# KiCad board WLED Matrix.kicad_pcb (continued)
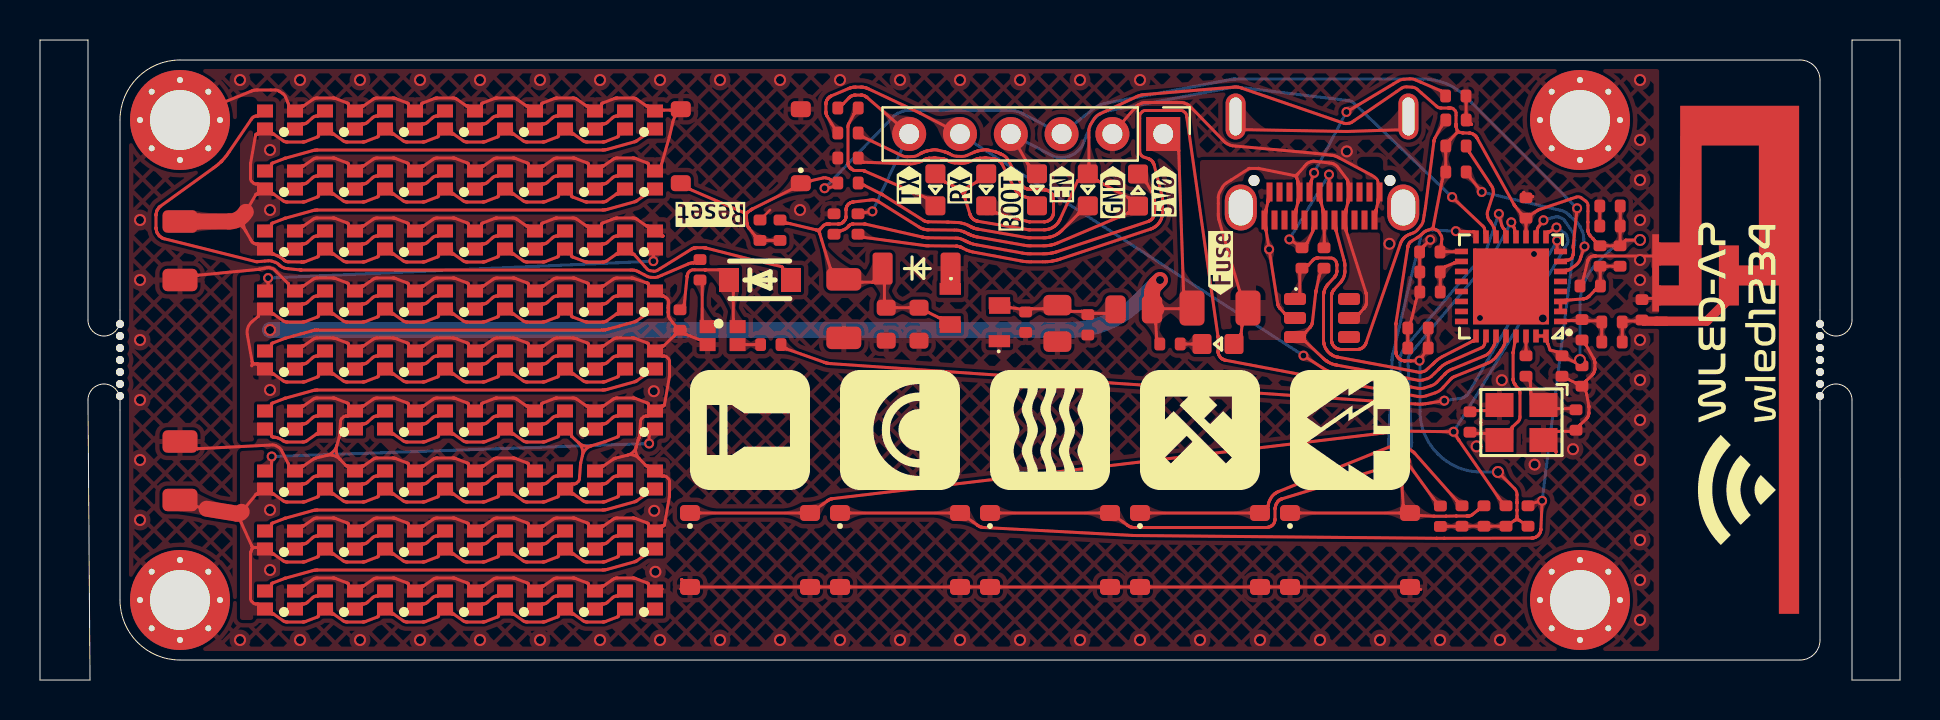
[diagram p0: board, top side]
## Routing (per net, layer and track width the routed paths; a pad name or vN(x,y) marks a point on that pad's centre or on a via; arc(x,y) is an arc through that point) (continued)
Net-(LED6-K): length 12.7
  Top w0.15: LED6.1 51.92,23.3 arc(51.92,23.3) 51.92,23.3 51.91,23.3 arc(51.91,23.3) 51.91,23.3 51.12,22.51 51.08,22.47 arc(51.06,22.45) 51.04,22.43 51,22.39 arc(50.98,22.37) 50.95,22.36 50.84,22.28 arc(50.79,22.25) 50.74,22.23 50.64,22.19 arc(50.59,22.17) 50.53,22.15 50.39,22.13 arc(50.37,22.12) 50.34,22.12 50.28,22.11 arc(50.26,22.11) 50.23,22.11 49.48,22.11 arc(49.45,22.11) 49.43,22.11 49.38,22.12 arc(49.36,22.12) 49.33,22.12 49.28,22.13 46.94,22.53 arc(46.93,22.54) 46.92,22.54 arc(46.91,22.54) 46.9,22.54 46.83,22.56 arc(46.82,22.56) 46.81,22.56 arc(46.81,22.56) 46.8,22.56 46.78,22.57 arc(46.78,22.57) 46.77,22.57 46.74,22.58 arc(46.74,22.58) 46.73,22.58 arc(46.72,22.59) 46.72,22.59 46.7,22.59 arc(46.7,22.59) 46.69,22.6 46.67,22.61 arc(46.66,22.61) 46.65,22.61 arc(46.64,22.62) 46.63,22.62 46.62,22.63 arc(46.61,22.63) 46.6,22.64 46.58,22.65 arc(46.57,22.65) 46.56,22.65 46.55,22.66 arc(46.55,22.66) 46.54,22.67 46.53,22.67 arc(46.53,22.67) 46.52,22.67 arc(46.52,22.68) 46.51,22.68 46.37,22.75 arc(46.3,22.78) 46.22,22.81 46.07,22.85 arc(45.99,22.87) 45.91,22.87 45.43,22.89 arc(45.41,22.89) 45.39,22.89 arc(45.37,22.9) 45.35,22.9 44.42,22.91 arc(44.42,22.91) 44.41,22.91 arc(44.4,22.91) 44.39,22.91 44.38,22.91 arc(44.37,22.91) 44.36,22.91 44.31,22.92 arc(44.3,22.93) 44.28,22.93 arc(44.27,22.93) 44.26,22.94 44.23,22.95 arc(44.21,22.96) 44.2,22.96 44.18,22.98 42.15,24.25 42.13,24.26 arc(42.12,24.27) 42.11,24.28 42.09,24.29 arc(42.08,24.29) 42.07,24.3 41.21,24.73 arc(41.21,24.74) 41.2,24.74 41.19,24.74 arc(41.19,24.74) 41.18,24.74 41.14,24.74 arc(41.11,24.74) 41.07,24.76 R15.1
Net-(LED7-K): length 10.3
  Top w0.15: R16.1 41.17,25.89 arc(41.18,25.89) 41.18,25.89 41.18,25.89 arc(41.18,25.89) 41.18,25.89 43.3,25.81 43.51,25.81 arc(43.62,25.81) 43.72,25.83 43.92,25.88 arc(44.02,25.91) 44.12,25.96 44.2,26.01 arc(44.21,26.01) 44.21,26.01 arc(44.22,26.02) 44.23,26.02 arc(44.23,26.03) 44.24,26.03 44.25,26.04 arc(44.26,26.04) 44.27,26.04 arc(44.28,26.04) 44.28,26.05 44.34,26.06 arc(44.34,26.06) 44.34,26.06 44.35,26.07 arc(44.36,26.07) 44.36,26.07 arc(44.37,26.07) 44.37,26.07 44.44,26.08 arc(44.44,26.08) 44.44,26.08 arc(44.45,26.08) 44.45,26.09 44.46,26.09 arc(44.46,26.09) 44.46,26.09 arc(44.47,26.09) 44.47,26.09 44.71,26.11 arc(44.72,26.11) 44.73,26.11 44.74,26.11 arc(44.75,26.11) 44.76,26.11 45.07,26.07 arc(45.08,26.07) 45.09,26.07 arc(45.09,26.07) 45.1,26.07 45.17,26.06 arc(45.18,26.06) 45.18,26.05 45.19,26.05 arc(45.19,26.05) 45.2,26.05 arc(45.2,26.05) 45.21,26.05 45.26,26.03 arc(45.27,26.03) 45.28,26.03 45.29,26.02 arc(45.29,26.02) 45.3,26.01 45.31,26.01 arc(45.31,26.01) 45.31,26.01 45.45,25.93 arc(45.59,25.88) 45.75,25.85 46.06,25.83 arc(46.22,25.84) 46.37,25.87 46.8,26.04 arc(46.8,26.04) 46.81,26.04 arc(46.82,26.04) 46.82,26.05 46.88,26.06 arc(46.88,26.06) 46.88,26.06 46.89,26.07 arc(46.9,26.07) 46.9,26.07 arc(46.91,26.07) 46.91,26.07 46.98,26.08 arc(46.98,26.08) 46.98,26.08 arc(46.99,26.08) 46.99,26.09 47,26.09 arc(47,26.09) 47,26.09 arc(47.01,26.09) 47.01,26.09 47.25,26.11 arc(47.26,26.11) 47.27,26.11 47.28,26.11 arc(47.29,26.11) 47.3,26.11 47.61,26.07 arc(47.62,26.07) 47.63,26.07 arc(47.63,26.07) 47.64,26.07 47.71,26.06 arc(47.72,26.06) 47.72,26.05 47.73,26.05 arc(47.73,26.05) 47.74,26.05 arc(47.74,26.05) 47.75,26.05 47.8,26.03 arc(47.81,26.03) 47.82,26.03 47.83,26.02 arc(47.83,26.02) 47.84,26.01 47.85,26.01 arc(47.85,26.01) 47.85,26.01 47.91,25.98 arc(47.92,25.97) 47.92,25.97 arc(47.93,25.97) 47.93,25.97 47.94,25.97 arc(47.94,25.96) 47.95,25.96 47.97,25.95 arc(47.98,25.94) 47.98,25.94 arc(47.99,25.93) 48,25.93 48,25.93 arc(48.01,25.92) 48.02,25.91 48.02,25.91 arc(48.03,25.9) 48.05,25.88 48.07,25.86 arc(48.08,25.84) 48.09,25.83 48.1,25.8 48.71,24.61 48.72,24.59 arc(48.73,24.58) 48.73,24.57 48.74,24.55 arc(48.75,24.54) 48.75,24.53 48.78,24.49 arc(48.79,24.47) 48.81,24.46 48.83,24.43 arc(48.84,24.42) 48.85,24.4 48.94,24.32 arc(48.97,24.29) 49.01,24.26 49.09,24.22 arc(49.13,24.2) 49.17,24.18 49.37,24.12 arc(49.37,24.12) 49.37,24.12 49.38,24.12 arc(49.38,24.12) 49.38,24.12 LED7.1
Net-(RGB1-DI): length 1.1
  Top w0.15: RGB1.4 R1.2
Net-(RGB1-DO): length 2.5
  Top w0.15: R5.1 33.09,19.84 arc(33.11,19.8) 33.11,19.77 33.11,17.96 arc(33.12,17.92) 33.14,17.89 RGB1.1
Net-(RGB1-VDD): length 6.7
  Top w0.15: RGB1.2 34.69,17.89 arc(34.67,17.92) 34.67,17.96 34.67,19.44 arc(34.66,19.47) 34.65,19.51 34.56,19.74 arc(34.43,19.99) 34.27,20.22 34.05,20.48 arc(34.02,20.5) 33.99,20.51 33.29,20.51 arc(33.29,20.51) 33.28,20.51 33.28,20.51 arc(33.27,20.51) 33.27,20.51 33.26,20.51 arc(33.26,20.51) 33.26,20.51 33.26,20.51 arc(33.26,20.51) 33.25,20.51 33.25,20.51 arc(33.24,20.51) 33.24,20.51 32.64,20.51 arc(32.58,20.5) 32.54,20.48 32.45,20.41 arc(32.41,20.37) 32.39,20.33 32.37,20.25 arc(32.37,20.25) 32.37,20.24 arc(32.37,20.24) 32.37,20.24 32.37,20.23 arc(32.37,20.23) 32.37,20.23 32.36,20.19 arc(32.36,20.19) 32.36,20.19 32.36,20.18 arc(32.36,20.18) 32.36,20.17 arc(32.36,20.17) 32.36,20.17 32.21,18.78 32.21,18.78 arc(32.21,18.78) 32.21,18.77 C6.1
Net-(RGB2-DI): length 36.4
  Top w0.15: R5.2 32.69,20.86 arc(32.68,20.86) 32.68,20.86 arc(32.68,20.86) 32.68,20.86 arc(32.68,20.86) 32.68,20.86 arc(32.67,20.86) 32.67,20.86 32.64,20.86 arc(32.61,20.86) 32.57,20.85 32.51,20.84 arc(32.47,20.83) 32.44,20.82 32.38,20.79 30.9,20.16 arc(30.82,20.13) 30.73,20.12 30.54,20.13 arc(30.46,20.15) 30.37,20.18 29.87,20.44 arc(29.83,20.46) 29.79,20.47 29.7,20.49 arc(29.66,20.5) 29.62,20.5 13.07,20.5 arc(13.06,20.5) 13.05,20.5 13.03,20.5 arc(13.02,20.5) 13.01,20.5 12.31,20.57 arc(12.26,20.58) 12.21,20.6 12.11,20.64 arc(12.07,20.67) 12.03,20.7 11.91,20.8 arc(11.84,20.85) 11.76,20.89 11.59,20.94 arc(11.51,20.96) 11.42,20.96 10.89,20.92 arc(10.88,20.92) 10.86,20.91 arc(10.85,20.91) 10.84,20.91 10.81,20.92 arc(10.8,20.92) 10.79,20.92 10.76,20.93 6.21,22.06 6.19,22.07 arc(6.17,22.07) 6.16,22.08 6.13,22.09 arc(6.12,22.1) 6.11,22.1 6,22.17 arc(5.99,22.18) 5.98,22.19 5.96,22.22 arc(5.95,22.23) 5.94,22.24 5.86,22.35 arc(5.86,22.36) 5.85,22.38 5.84,22.41 arc(5.83,22.42) 5.83,22.44 5.81,22.54 arc(5.81,22.55) 5.8,22.56 arc(5.8,22.56) 5.8,22.57 5.8,22.59 arc(5.8,22.6) 5.8,22.6 5.8,23.25 arc(5.8,23.25) 5.8,23.26 5.8,23.28 arc(5.8,23.29) 5.8,23.29 arc(5.81,23.3) 5.81,23.31 5.83,23.41 arc(5.83,23.43) 5.84,23.44 5.85,23.47 arc(5.86,23.49) 5.86,23.5 5.94,23.61 arc(5.94,23.62) 5.95,23.63 5.97,23.65 arc(5.98,23.66) 6,23.67 6.02,23.69 8.76,25.66 arc(8.8,25.69) 8.84,25.73 8.93,25.8 arc(8.97,25.84) 9.01,25.87 9.04,25.91 arc(9.05,25.91) 9.06,25.92 arc(9.06,25.93) 9.07,25.93 arc(9.07,25.94) 9.08,25.94 arc(9.09,25.95) 9.09,25.96 9.13,26 arc(9.18,26.04) 9.22,26.09 9.3,26.19 arc(9.34,26.24) 9.38,26.3 9.45,26.4 10.6,28.09 arc(10.63,28.12) 10.66,28.14 10.73,28.18 arc(10.77,28.2) 10.81,28.2 10.89,28.2 arc(10.92,28.21) 10.95,28.22 RGB2.4
Net-(RGB2-DO): length 1.8
  Top w0.15: RGB3.4 13.95,28.22 arc(13.92,28.21) 13.89,28.2 13.82,28.2 arc(13.79,28.2) 13.76,28.19 13.71,28.17 arc(13.68,28.16) 13.66,28.14 13.34,27.86 arc(13.32,27.84) 13.29,27.83 13.24,27.81 arc(13.21,27.8) 13.18,27.8 13.11,27.8 arc(13.08,27.79) 13.05,27.78 RGB2.1
Net-(RGB3-DO): length 1.8
  Top w0.15: RGB4.4 16.95,28.22 arc(16.92,28.21) 16.89,28.2 16.82,28.2 arc(16.79,28.2) 16.76,28.19 16.71,28.17 arc(16.68,28.16) 16.66,28.14 16.34,27.86 arc(16.32,27.84) 16.29,27.83 16.24,27.81 arc(16.21,27.8) 16.18,27.8 16.11,27.8 arc(16.08,27.79) 16.05,27.78 RGB3.1
Net-(RGB4-DO): length 1.8
  Top w0.15: RGB5.4 19.95,28.22 arc(19.92,28.21) 19.89,28.2 19.82,28.2 arc(19.79,28.2) 19.76,28.19 19.71,28.17 arc(19.68,28.16) 19.66,28.14 19.34,27.86 arc(19.32,27.84) 19.29,27.83 19.24,27.81 arc(19.21,27.8) 19.18,27.8 19.11,27.8 arc(19.08,27.79) 19.05,27.78 RGB4.1
Net-(RGB5-DO): length 1.8
  Top w0.15: RGB6.4 22.95,28.22 arc(22.92,28.21) 22.89,28.2 22.82,28.2 arc(22.79,28.2) 22.76,28.19 22.71,28.17 arc(22.68,28.16) 22.66,28.14 22.34,27.86 arc(22.32,27.84) 22.29,27.83 22.24,27.81 arc(22.21,27.8) 22.18,27.8 22.11,27.8 arc(22.08,27.79) 22.05,27.78 RGB5.1
Net-(RGB6-DO): length 1.8
  Top w0.15: RGB7.4 25.95,28.22 arc(25.92,28.21) 25.89,28.2 25.82,28.2 arc(25.79,28.2) 25.76,28.19 25.71,28.17 arc(25.68,28.16) 25.66,28.14 25.34,27.86 arc(25.32,27.84) 25.29,27.83 25.24,27.81 arc(25.21,27.8) 25.18,27.8 25.11,27.8 arc(25.08,27.79) 25.05,27.78 RGB6.1
Net-(RGB7-DO): length 1.8
  Top w0.15: RGB7.1 28.05,27.78 arc(28.08,27.79) 28.11,27.8 28.18,27.8 arc(28.21,27.8) 28.24,27.81 28.29,27.83 arc(28.32,27.84) 28.34,27.86 28.66,28.14 arc(28.68,28.16) 28.71,28.17 28.76,28.19 arc(28.79,28.2) 28.82,28.2 28.89,28.2 arc(28.92,28.21) 28.95,28.22 RGB8.4
Net-(RGB8-DO): length 20.1
  Top w0.15: RGB9.4 11.55,25.68 arc(11.57,25.7) 11.57,25.74 11.57,25.79 arc(11.58,25.8) 11.58,25.81 11.59,25.83 arc(11.6,25.84) 11.61,25.84 12.23,26.08 arc(12.23,26.08) 12.24,26.08 arc(12.24,26.08) 12.24,26.08 12.25,26.08 arc(12.26,26.09) 12.26,26.09 arc(12.26,26.09) 12.27,26.09 13.63,26.47 13.68,26.48 arc(13.7,26.49) 13.73,26.49 13.78,26.5 arc(13.8,26.5) 13.83,26.5 28.17,26.5 arc(28.2,26.5) 28.22,26.5 28.27,26.51 arc(28.3,26.51) 28.32,26.52 28.37,26.53 29.72,26.91 29.75,26.92 arc(29.76,26.92) 29.78,26.92 29.8,26.94 arc(29.81,26.94) 29.82,26.95 30.3,27.28 arc(30.31,27.29) 30.31,27.29 arc(30.32,27.29) 30.32,27.29 30.33,27.3 arc(30.34,27.3) 30.34,27.3 30.39,27.3 arc(30.42,27.31) 30.45,27.32 RGB8.1
Net-(RGB10-DI): length 1.8
  Top w0.15: RGB9.1 13.05,24.78 arc(13.08,24.79) 13.11,24.8 13.18,24.8 arc(13.21,24.8) 13.24,24.81 13.29,24.83 arc(13.32,24.84) 13.34,24.86 13.66,25.14 arc(13.68,25.16) 13.71,25.17 13.76,25.19 arc(13.79,25.2) 13.82,25.2 13.89,25.2 arc(13.92,25.21) 13.95,25.22 RGB10.4
Net-(RGB10-DO): length 1.8
  Top w0.15: RGB10.1 16.05,24.78 arc(16.08,24.79) 16.11,24.8 16.18,24.8 arc(16.21,24.8) 16.24,24.81 16.29,24.83 arc(16.32,24.84) 16.34,24.86 16.66,25.14 arc(16.68,25.16) 16.71,25.17 16.76,25.19 arc(16.79,25.2) 16.82,25.2 16.89,25.2 arc(16.92,25.21) 16.95,25.22 RGB11.4
Net-(RGB11-DO): length 1.8
  Top w0.15: RGB11.1 19.05,24.78 arc(19.08,24.79) 19.11,24.8 19.18,24.8 arc(19.21,24.8) 19.24,24.81 19.29,24.83 arc(19.32,24.84) 19.34,24.86 19.66,25.14 arc(19.68,25.16) 19.71,25.17 19.76,25.19 arc(19.79,25.2) 19.82,25.2 19.89,25.2 arc(19.92,25.21) 19.95,25.22 RGB12.4
Net-(RGB12-DO): length 1.8
  Top w0.15: RGB13.4 22.95,25.22 arc(22.92,25.21) 22.89,25.2 22.82,25.2 arc(22.79,25.2) 22.76,25.19 22.71,25.17 arc(22.68,25.16) 22.66,25.14 22.34,24.86 arc(22.32,24.84) 22.29,24.83 22.24,24.81 arc(22.21,24.8) 22.18,24.8 22.11,24.8 arc(22.08,24.79) 22.05,24.78 RGB12.1
Net-(RGB13-DO): length 1.8
  Top w0.15: RGB14.4 25.95,25.22 arc(25.92,25.21) 25.89,25.2 25.82,25.2 arc(25.79,25.2) 25.76,25.19 25.71,25.17 arc(25.68,25.16) 25.66,25.14 25.34,24.86 arc(25.32,24.84) 25.29,24.83 25.24,24.81 arc(25.21,24.8) 25.18,24.8 25.11,24.8 arc(25.08,24.79) 25.05,24.78 RGB13.1
Net-(RGB14-DO): length 1.8
  Top w0.15: RGB14.1 28.05,24.78 arc(28.08,24.79) 28.11,24.8 28.18,24.8 arc(28.21,24.8) 28.24,24.81 28.29,24.83 arc(28.32,24.84) 28.34,24.86 28.66,25.14 arc(28.68,25.16) 28.71,25.17 28.76,25.19 arc(28.79,25.2) 28.82,25.2 28.89,25.2 arc(28.92,25.21) 28.95,25.22 RGB15.4
Net-(RGB15-DO): length 20.1
  Top w0.15: RGB15.1 30.45,24.32 arc(30.42,24.31) 30.39,24.3 30.34,24.3 arc(30.34,24.3) 30.33,24.3 30.32,24.29 arc(30.32,24.29) 30.31,24.29 arc(30.31,24.29) 30.3,24.28 29.82,23.95 arc(29.81,23.94) 29.8,23.94 29.78,23.92 arc(29.76,23.92) 29.75,23.92 29.72,23.91 28.37,23.53 28.32,23.52 arc(28.3,23.51) 28.27,23.51 28.22,23.5 arc(28.2,23.5) 28.17,23.5 13.83,23.5 arc(13.8,23.5) 13.78,23.5 13.73,23.49 arc(13.7,23.49) 13.68,23.48 13.63,23.47 12.27,23.09 arc(12.26,23.09) 12.26,23.09 arc(12.26,23.09) 12.25,23.08 12.24,23.08 arc(12.24,23.08) 12.24,23.08 arc(12.23,23.08) 12.23,23.08 11.61,22.84 arc(11.6,22.84) 11.59,22.83 11.58,22.81 arc(11.58,22.8) 11.57,22.79 11.57,22.74 arc(11.57,22.7) 11.55,22.68 RGB16.4
Net-(RGB16-DO): length 1.8
  Top w0.15: RGB16.1 13.05,21.78 arc(13.08,21.79) 13.11,21.8 13.18,21.8 arc(13.21,21.8) 13.24,21.81 13.29,21.83 arc(13.32,21.84) 13.34,21.86 13.66,22.14 arc(13.68,22.16) 13.71,22.17 13.76,22.19 arc(13.79,22.2) 13.82,22.2 13.89,22.2 arc(13.92,22.21) 13.95,22.22 RGB17.4
Net-(RGB17-DO): length 1.8
  Top w0.15: RGB17.1 16.05,21.78 arc(16.08,21.79) 16.11,21.8 16.18,21.8 arc(16.21,21.8) 16.24,21.81 16.29,21.83 arc(16.32,21.84) 16.34,21.86 16.66,22.14 arc(16.68,22.16) 16.71,22.17 16.76,22.19 arc(16.79,22.2) 16.82,22.2 16.89,22.2 arc(16.92,22.21) 16.95,22.22 RGB18.4
Net-(RGB18-DO): length 1.8
  Top w0.15: RGB18.1 19.05,21.78 arc(19.08,21.79) 19.11,21.8 19.18,21.8 arc(19.21,21.8) 19.24,21.81 19.29,21.83 arc(19.32,21.84) 19.34,21.86 19.66,22.14 arc(19.68,22.16) 19.71,22.17 19.76,22.19 arc(19.79,22.2) 19.82,22.2 19.89,22.2 arc(19.92,22.21) 19.95,22.22 RGB19.4
Net-(RGB19-DO): length 1.8
  Top w0.15: RGB20.4 22.95,22.22 arc(22.92,22.21) 22.89,22.2 22.82,22.2 arc(22.79,22.2) 22.76,22.19 22.71,22.17 arc(22.68,22.16) 22.66,22.14 22.34,21.86 arc(22.32,21.84) 22.29,21.83 22.24,21.81 arc(22.21,21.8) 22.18,21.8 22.11,21.8 arc(22.08,21.79) 22.05,21.78 RGB19.1
Net-(RGB20-DO): length 1.8
  Top w0.15: RGB20.1 25.05,21.78 arc(25.08,21.79) 25.11,21.8 25.18,21.8 arc(25.21,21.8) 25.24,21.81 25.29,21.83 arc(25.32,21.84) 25.34,21.86 25.66,22.14 arc(25.68,22.16) 25.71,22.17 25.76,22.19 arc(25.79,22.2) 25.82,22.2 25.89,22.2 arc(25.92,22.21) 25.95,22.22 RGB21.4
Net-(RGB21-DO): length 1.8
  Top w0.15: RGB22.4 28.95,22.22 arc(28.92,22.21) 28.89,22.2 28.82,22.2 arc(28.79,22.2) 28.76,22.19 28.71,22.17 arc(28.68,22.16) 28.66,22.14 28.34,21.86 arc(28.32,21.84) 28.29,21.83 28.24,21.81 arc(28.21,21.8) 28.18,21.8 28.11,21.8 arc(28.08,21.79) 28.05,21.78 RGB21.1
Net-(RGB22-DO): length 20.6
  Top w0.15: v2(11.41,20.1) 11.41,19.74 arc(11.4,19.7) 11.39,19.67 RGB23.4 ; v2(30.67,20.94) 30.67,21.26 arc(30.67,21.3) 30.68,21.34 RGB22.1
  Bottom w0.15: v2(11.41,20.1) v2(30.67,20.94)
Net-(RGB23-DO): length 1.8
  Top w0.15: RGB23.1 13.05,18.78 arc(13.08,18.79) 13.11,18.8 13.18,18.8 arc(13.21,18.8) 13.24,18.81 13.29,18.83 arc(13.32,18.84) 13.34,18.86 13.66,19.14 arc(13.68,19.16) 13.71,19.17 13.76,19.19 arc(13.79,19.2) 13.82,19.2 13.89,19.2 arc(13.92,19.21) 13.95,19.22 RGB24.4
Net-(RGB24-DO): length 1.8
  Top w0.15: RGB24.1 16.05,18.78 arc(16.08,18.79) 16.11,18.8 16.18,18.8 arc(16.21,18.8) 16.24,18.81 16.29,18.83 arc(16.32,18.84) 16.34,18.86 16.66,19.14 arc(16.68,19.16) 16.71,19.17 16.76,19.19 arc(16.79,19.2) 16.82,19.2 16.89,19.2 arc(16.92,19.21) 16.95,19.22 RGB25.4
Net-(RGB25-DO): length 1.8
  Top w0.15: RGB26.4 19.95,19.22 arc(19.92,19.21) 19.89,19.2 19.82,19.2 arc(19.79,19.2) 19.76,19.19 19.71,19.17 arc(19.68,19.16) 19.66,19.14 19.34,18.86 arc(19.32,18.84) 19.29,18.83 19.24,18.81 arc(19.21,18.8) 19.18,18.8 19.11,18.8 arc(19.08,18.79) 19.05,18.78 RGB25.1
Net-(RGB26-DO): length 1.8
  Top w0.15: RGB26.1 22.05,18.78 arc(22.08,18.79) 22.11,18.8 22.18,18.8 arc(22.21,18.8) 22.24,18.81 22.29,18.83 arc(22.32,18.84) 22.34,18.86 22.66,19.14 arc(22.68,19.16) 22.71,19.17 22.76,19.19 arc(22.79,19.2) 22.82,19.2 22.89,19.2 arc(22.92,19.21) 22.95,19.22 RGB27.4
Net-(RGB27-DO): length 1.8
  Top w0.15: RGB27.1 25.05,18.78 arc(25.08,18.79) 25.11,18.8 25.18,18.8 arc(25.21,18.8) 25.24,18.81 25.29,18.83 arc(25.32,18.84) 25.34,18.86 25.66,19.14 arc(25.68,19.16) 25.71,19.17 25.76,19.19 arc(25.79,19.2) 25.82,19.2 25.89,19.2 arc(25.92,19.21) 25.95,19.22 RGB28.4
Net-(RGB28-DO): length 1.8
  Top w0.15: RGB29.4 28.95,19.22 arc(28.92,19.21) 28.89,19.2 28.82,19.2 arc(28.79,19.2) 28.76,19.19 28.71,19.17 arc(28.68,19.16) 28.66,19.14 28.34,18.86 arc(28.32,18.84) 28.29,18.83 28.24,18.81 arc(28.21,18.8) 28.18,18.8 28.11,18.8 arc(28.08,18.79) 28.05,18.78 RGB28.1
Net-(RGB29-DO): length 20.1
  Top w0.15: RGB30.4 11.55,16.68 arc(11.57,16.7) 11.57,16.74 11.57,16.79 arc(11.58,16.8) 11.58,16.81 11.59,16.83 arc(11.6,16.84) 11.61,16.84 12.23,17.08 arc(12.23,17.08) 12.24,17.08 arc(12.24,17.08) 12.24,17.08 12.25,17.08 arc(12.26,17.09) 12.26,17.09 arc(12.26,17.09) 12.27,17.09 13.63,17.47 13.68,17.48 arc(13.7,17.49) 13.73,17.49 13.78,17.5 arc(13.8,17.5) 13.83,17.5 28.17,17.5 arc(28.2,17.5) 28.22,17.5 28.27,17.51 arc(28.3,17.51) 28.32,17.52 28.37,17.53 29.72,17.91 29.75,17.92 arc(29.76,17.92) 29.78,17.92 29.8,17.94 arc(29.81,17.94) 29.82,17.95 30.3,18.28 arc(30.31,18.29) 30.31,18.29 arc(30.32,18.29) 30.32,18.29 30.33,18.3 arc(30.34,18.3) 30.34,18.3 30.39,18.3 arc(30.42,18.31) 30.45,18.32 RGB29.1
Net-(RGB30-DO): length 1.8
  Top w0.15: RGB30.1 13.05,15.78 arc(13.08,15.79) 13.11,15.8 13.18,15.8 arc(13.21,15.8) 13.24,15.81 13.29,15.83 arc(13.32,15.84) 13.34,15.86 13.66,16.14 arc(13.68,16.16) 13.71,16.17 13.76,16.19 arc(13.79,16.2) 13.82,16.2 13.89,16.2 arc(13.92,16.21) 13.95,16.22 RGB31.4
Net-(RGB31-DO): length 1.8
  Top w0.15: RGB31.1 16.05,15.78 arc(16.08,15.79) 16.11,15.8 16.18,15.8 arc(16.21,15.8) 16.24,15.81 16.29,15.83 arc(16.32,15.84) 16.34,15.86 16.66,16.14 arc(16.68,16.16) 16.71,16.17 16.76,16.19 arc(16.79,16.2) 16.82,16.2 16.89,16.2 arc(16.92,16.21) 16.95,16.22 RGB32.4
Net-(RGB32-DO): length 1.8
  Top w0.15: RGB33.4 19.95,16.22 arc(19.92,16.21) 19.89,16.2 19.82,16.2 arc(19.79,16.2) 19.76,16.19 19.71,16.17 arc(19.68,16.16) 19.66,16.14 19.34,15.86 arc(19.32,15.84) 19.29,15.83 19.24,15.81 arc(19.21,15.8) 19.18,15.8 19.11,15.8 arc(19.08,15.79) 19.05,15.78 RGB32.1
Net-(RGB33-DO): length 1.8
  Top w0.15: RGB33.1 22.05,15.78 arc(22.08,15.79) 22.11,15.8 22.18,15.8 arc(22.21,15.8) 22.24,15.81 22.29,15.83 arc(22.32,15.84) 22.34,15.86 22.66,16.14 arc(22.68,16.16) 22.71,16.17 22.76,16.19 arc(22.79,16.2) 22.82,16.2 22.89,16.2 arc(22.92,16.21) 22.95,16.22 RGB34.4
Net-(RGB34-DO): length 1.8
  Top w0.15: RGB34.1 25.05,15.78 arc(25.08,15.79) 25.11,15.8 25.18,15.8 arc(25.21,15.8) 25.24,15.81 25.29,15.83 arc(25.32,15.84) 25.34,15.86 25.66,16.14 arc(25.68,16.16) 25.71,16.17 25.76,16.19 arc(25.79,16.2) 25.82,16.2 25.89,16.2 arc(25.92,16.21) 25.95,16.22 RGB35.4
Net-(RGB35-DO): length 1.8
  Top w0.15: RGB35.1 28.05,15.78 arc(28.08,15.79) 28.11,15.8 28.18,15.8 arc(28.21,15.8) 28.24,15.81 28.29,15.83 arc(28.32,15.84) 28.34,15.86 28.66,16.14 arc(28.68,16.16) 28.71,16.17 28.76,16.19 arc(28.79,16.2) 28.82,16.2 28.89,16.2 arc(28.92,16.21) 28.95,16.22 RGB36.4
Net-(RGB36-DO): length 20.1
  Top w0.15: RGB37.4 11.55,13.68 arc(11.57,13.7) 11.57,13.74 11.57,13.79 arc(11.58,13.8) 11.58,13.81 11.59,13.83 arc(11.6,13.84) 11.61,13.84 12.23,14.08 arc(12.23,14.08) 12.24,14.08 arc(12.24,14.08) 12.24,14.08 12.25,14.08 arc(12.26,14.09) 12.26,14.09 arc(12.26,14.09) 12.27,14.09 13.63,14.47 13.68,14.48 arc(13.7,14.49) 13.73,14.49 13.78,14.5 arc(13.8,14.5) 13.83,14.5 28.17,14.5 arc(28.2,14.5) 28.22,14.5 28.27,14.51 arc(28.3,14.51) 28.32,14.52 28.37,14.53 29.72,14.91 29.75,14.92 arc(29.76,14.92) 29.78,14.92 29.8,14.94 arc(29.81,14.94) 29.82,14.95 30.3,15.28 arc(30.31,15.29) 30.31,15.29 arc(30.32,15.29) 30.32,15.29 30.33,15.3 arc(30.34,15.3) 30.34,15.3 30.39,15.3 arc(30.42,15.31) 30.45,15.32 RGB36.1
Net-(RGB37-DO): length 1.8
  Top w0.15: RGB37.1 13.05,12.78 arc(13.08,12.79) 13.11,12.8 13.18,12.8 arc(13.21,12.8) 13.24,12.81 13.29,12.83 arc(13.32,12.84) 13.34,12.86 13.66,13.14 arc(13.68,13.16) 13.71,13.17 13.76,13.19 arc(13.79,13.2) 13.82,13.2 13.89,13.2 arc(13.92,13.21) 13.95,13.22 RGB38.4
Net-(RGB38-DO): length 1.8
  Top w0.15: RGB38.1 16.05,12.78 arc(16.08,12.79) 16.11,12.8 16.18,12.8 arc(16.21,12.8) 16.24,12.81 16.29,12.83 arc(16.32,12.84) 16.34,12.86 16.66,13.14 arc(16.68,13.16) 16.71,13.17 16.76,13.19 arc(16.79,13.2) 16.82,13.2 16.89,13.2 arc(16.92,13.21) 16.95,13.22 RGB39.4
Net-(RGB39-DO): length 1.8
  Top w0.15: RGB40.4 19.95,13.22 arc(19.92,13.21) 19.89,13.2 19.82,13.2 arc(19.79,13.2) 19.76,13.19 19.71,13.17 arc(19.68,13.16) 19.66,13.14 19.34,12.86 arc(19.32,12.84) 19.29,12.83 19.24,12.81 arc(19.21,12.8) 19.18,12.8 19.11,12.8 arc(19.08,12.79) 19.05,12.78 RGB39.1
Net-(RGB40-DO): length 1.8
  Top w0.15: RGB41.4 22.95,13.22 arc(22.92,13.21) 22.89,13.2 22.82,13.2 arc(22.79,13.2) 22.76,13.19 22.71,13.17 arc(22.68,13.16) 22.66,13.14 22.34,12.86 arc(22.32,12.84) 22.29,12.83 22.24,12.81 arc(22.21,12.8) 22.18,12.8 22.11,12.8 arc(22.08,12.79) 22.05,12.78 RGB40.1
Net-(RGB41-DO): length 1.8
  Top w0.15: RGB42.4 25.95,13.22 arc(25.92,13.21) 25.89,13.2 25.82,13.2 arc(25.79,13.2) 25.76,13.19 25.71,13.17 arc(25.68,13.16) 25.66,13.14 25.34,12.86 arc(25.32,12.84) 25.29,12.83 25.24,12.81 arc(25.21,12.8) 25.18,12.8 25.11,12.8 arc(25.08,12.79) 25.05,12.78 RGB41.1
Net-(RGB42-DO): length 1.8
  Top w0.15: RGB43.4 28.95,13.22 arc(28.92,13.21) 28.89,13.2 28.82,13.2 arc(28.79,13.2) 28.76,13.19 28.71,13.17 arc(28.68,13.16) 28.66,13.14 28.34,12.86 arc(28.32,12.84) 28.29,12.83 28.24,12.81 arc(28.21,12.8) 28.18,12.8 28.11,12.8 arc(28.08,12.79) 28.05,12.78 RGB42.1
Net-(RGB43-DO): length 20.6
  Top w0.15: v2(30.46,11.82) 30.46,12.26 arc(30.46,12.3) 30.48,12.32 RGB43.1 ; v2(11.58,11.17) 11.57,10.78 arc(11.57,10.78) 11.57,10.78 11.57,10.74 arc(11.57,10.7) 11.55,10.68 RGB44.4
  Bottom w0.15: v2(11.58,11.17) v2(30.46,11.82)
Net-(RGB44-DO): length 1.8
  Top w0.15: RGB44.1 13.05,9.78 arc(13.08,9.79) 13.11,9.8 13.18,9.8 arc(13.21,9.8) 13.24,9.81 13.29,9.83 arc(13.32,9.84) 13.34,9.86 13.66,10.14 arc(13.68,10.16) 13.71,10.17 13.76,10.19 arc(13.79,10.2) 13.82,10.2 13.89,10.2 arc(13.92,10.21) 13.95,10.22 RGB45.4
Net-(RGB45-DO): length 1.8
  Top w0.15: RGB45.1 16.05,9.78 arc(16.08,9.79) 16.11,9.8 16.18,9.8 arc(16.21,9.8) 16.24,9.81 16.29,9.83 arc(16.32,9.84) 16.34,9.86 16.66,10.14 arc(16.68,10.16) 16.71,10.17 16.76,10.19 arc(16.79,10.2) 16.82,10.2 16.89,10.2 arc(16.92,10.21) 16.95,10.22 RGB46.4
Net-(RGB46-DO): length 1.8
  Top w0.15: RGB46.1 19.05,9.78 arc(19.08,9.79) 19.11,9.8 19.18,9.8 arc(19.21,9.8) 19.24,9.81 19.29,9.83 arc(19.32,9.84) 19.34,9.86 19.66,10.14 arc(19.68,10.16) 19.71,10.17 19.76,10.19 arc(19.79,10.2) 19.82,10.2 19.89,10.2 arc(19.92,10.21) 19.95,10.22 RGB47.4
Net-(RGB47-DO): length 1.8
  Top w0.15: RGB47.1 22.05,9.78 arc(22.08,9.79) 22.11,9.8 22.18,9.8 arc(22.21,9.8) 22.24,9.81 22.29,9.83 arc(22.32,9.84) 22.34,9.86 22.66,10.14 arc(22.68,10.16) 22.71,10.17 22.76,10.19 arc(22.79,10.2) 22.82,10.2 22.89,10.2 arc(22.92,10.21) 22.95,10.22 RGB48.4
Net-(RGB48-DO): length 1.8
  Top w0.15: RGB49.4 25.95,10.22 arc(25.92,10.21) 25.89,10.2 25.82,10.2 arc(25.79,10.2) 25.76,10.19 25.71,10.17 arc(25.68,10.16) 25.66,10.14 25.34,9.86 arc(25.32,9.84) 25.29,9.83 25.24,9.81 arc(25.21,9.8) 25.18,9.8 25.11,9.8 arc(25.08,9.79) 25.05,9.78 RGB48.1
Net-(RGB49-DO): length 1.8
  Top w0.15: RGB50.4 28.95,10.22 arc(28.92,10.21) 28.89,10.2 28.82,10.2 arc(28.79,10.2) 28.76,10.19 28.71,10.17 arc(28.68,10.16) 28.66,10.14 28.34,9.86 arc(28.32,9.84) 28.29,9.83 28.24,9.81 arc(28.21,9.8) 28.18,9.8 28.11,9.8 arc(28.08,9.79) 28.05,9.78 RGB49.1
Net-(RGB50-DO): length 20.1
  Top w0.15: RGB50.1 30.45,9.32 arc(30.42,9.31) 30.39,9.3 30.34,9.3 arc(30.34,9.3) 30.33,9.3 30.32,9.29 arc(30.32,9.29) 30.31,9.29 arc(30.31,9.29) 30.3,9.28 29.82,8.95 arc(29.81,8.94) 29.8,8.94 29.78,8.92 arc(29.76,8.92) 29.75,8.92 29.72,8.91 28.37,8.53 28.32,8.52 arc(28.3,8.51) 28.27,8.51 28.22,8.5 arc(28.2,8.5) 28.17,8.5 13.83,8.5 arc(13.8,8.5) 13.78,8.5 13.73,8.49 arc(13.7,8.49) 13.68,8.48 13.63,8.47 12.27,8.09 arc(12.26,8.09) 12.26,8.09 arc(12.26,8.09) 12.25,8.08 12.24,8.08 arc(12.24,8.08) 12.24,8.08 arc(12.23,8.08) 12.23,8.08 11.61,7.84 arc(11.6,7.84) 11.59,7.83 11.58,7.81 arc(11.58,7.8) 11.57,7.79 11.57,7.74 arc(11.57,7.7) 11.55,7.68 RGB51.4
Net-(RGB51-DO): length 1.8
  Top w0.15: RGB52.4 13.95,7.22 arc(13.92,7.21) 13.89,7.2 13.82,7.2 arc(13.79,7.2) 13.76,7.19 13.71,7.17 arc(13.68,7.16) 13.66,7.14 13.34,6.86 arc(13.32,6.84) 13.29,6.83 13.24,6.81 arc(13.21,6.8) 13.18,6.8 13.11,6.8 arc(13.08,6.79) 13.05,6.78 RGB51.1
Net-(RGB52-DO): length 1.8
  Top w0.15: RGB52.1 16.05,6.78 arc(16.08,6.79) 16.11,6.8 16.18,6.8 arc(16.21,6.8) 16.24,6.81 16.29,6.83 arc(16.32,6.84) 16.34,6.86 16.66,7.14 arc(16.68,7.16) 16.71,7.17 16.76,7.19 arc(16.79,7.2) 16.82,7.2 16.89,7.2 arc(16.92,7.21) 16.95,7.22 RGB53.4
Net-(RGB53-DO): length 1.8
  Top w0.15: RGB53.1 19.05,6.78 arc(19.08,6.79) 19.11,6.8 19.18,6.8 arc(19.21,6.8) 19.24,6.81 19.29,6.83 arc(19.32,6.84) 19.34,6.86 19.66,7.14 arc(19.68,7.16) 19.71,7.17 19.76,7.19 arc(19.79,7.2) 19.82,7.2 19.89,7.2 arc(19.92,7.21) 19.95,7.22 RGB54.4
Net-(RGB54-DO): length 1.8
  Top w0.15: RGB54.1 22.05,6.78 arc(22.08,6.79) 22.11,6.8 22.18,6.8 arc(22.21,6.8) 22.24,6.81 22.29,6.83 arc(22.32,6.84) 22.34,6.86 22.66,7.14 arc(22.68,7.16) 22.71,7.17 22.76,7.19 arc(22.79,7.2) 22.82,7.2 22.89,7.2 arc(22.92,7.21) 22.95,7.22 RGB55.4
Net-(RGB55-DO): length 1.8
  Top w0.15: RGB56.4 25.95,7.22 arc(25.92,7.21) 25.89,7.2 25.82,7.2 arc(25.79,7.2) 25.76,7.19 25.71,7.17 arc(25.68,7.16) 25.66,7.14 25.34,6.86 arc(25.32,6.84) 25.29,6.83 25.24,6.81 arc(25.21,6.8) 25.18,6.8 25.11,6.8 arc(25.08,6.79) 25.05,6.78 RGB55.1
